# Altium PCB MB1166.PcbDoc (part 23 of 39)
Units mil, origin at the board's own origin, x right, y up, seen from the top; angles counter-clockwise.
Board outline 5000.99 x 2352.96 mil, 4 copper layers (TOP, L2_GND, L3_VCC, BOTTOM), stack 25.9 mil thick; 35 components, 24 nets, 166 pads, 143 vias.
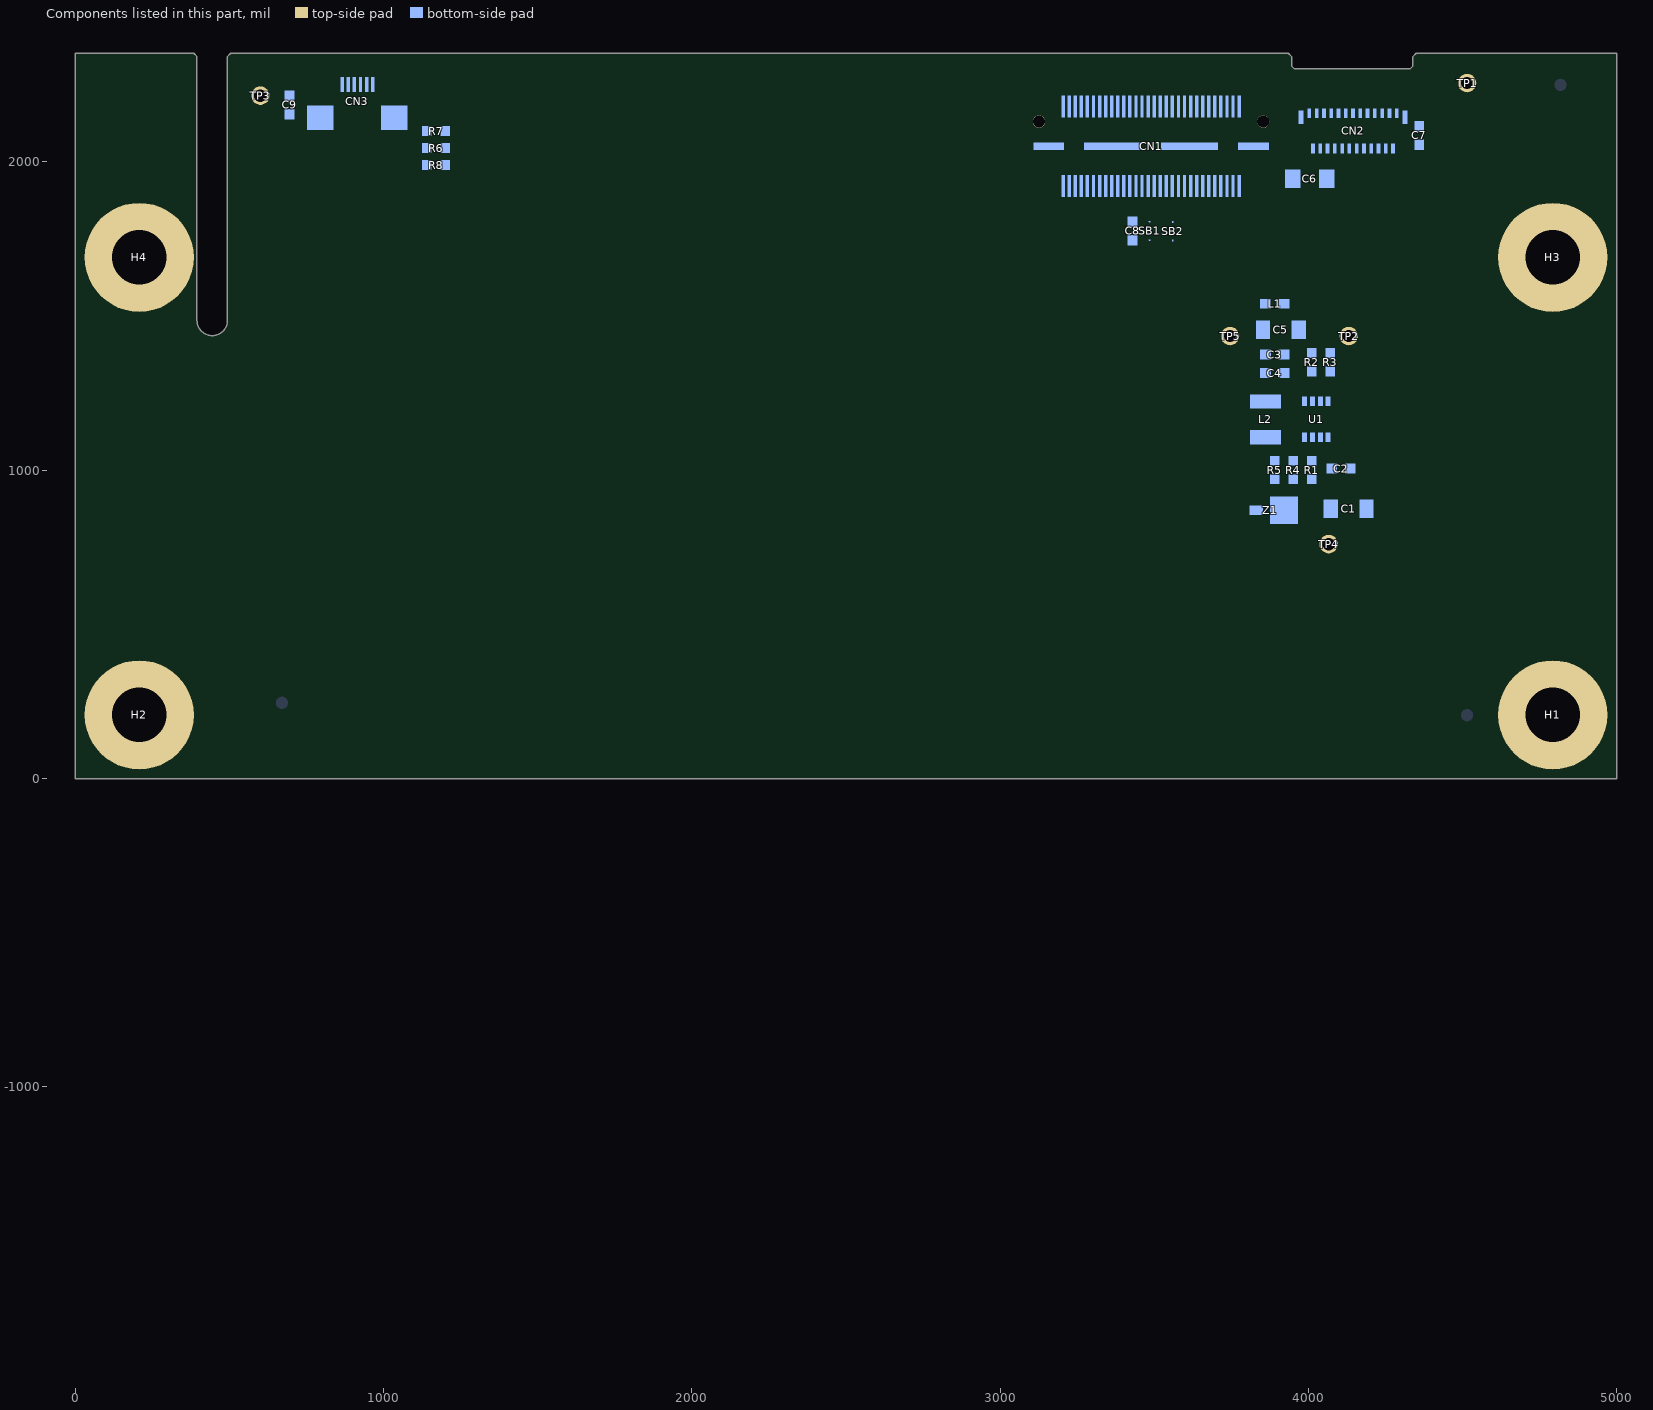
[diagram p25: the components of this part, seen from the top]

## Via types
v1: diameter 24, hole 12, TOP to BOTTOM, 143 vias

## Nets (pads, with @x,y where several pads share a name; then routed paths per layer and width w, separated by ;. In a path a pad name is that pad's centre, name@x,y a point inside that pad or via, vN(x,y) a via of type N, cw(c..) or ccw(c..) an arc to the next point about the centre after c; other vN are vias at no path point) (continued)
copper on no net: (continued)
  BOTTOM w2: 884.02,-1190.99 884.2,-1190.89 ; 884,-1127.72 884.1,-1127.72 ; 884,-1127.72 884.1,-1127.72 ; 884.06,-1216.03 884.16,-1216.02 ; 884.06,-1216.03 884.16,-1216.02 ; 884.1,-1127.72 884.2,-1127.73 ; 884.1,-1127.72 884.2,-1127.73 ; 884.16,-1216.02 884.26,-1216 ; 884.16,-1216.02 884.26,-1216 ; 884.2,-1190.89 884.28,-1190.84 ; 884.2,-1190.89 884.28,-1190.84 ; 884.2,-1127.73 884.3,-1127.73 ; 884.2,-1127.73 884.3,-1127.73 ; 884.26,-1216 884.35,-1215.98 ; 884.26,-1216 884.35,-1215.98 ; 884.28,-1190.84 884.37,-1190.79 ; 884.28,-1190.84 884.37,-1190.79 ; 884.3,-1127.73 884.5,-1127.75 ; 884.3,-1127.73 884.5,-1127.75 ; 884.35,-1215.98 884.45,-1215.97 ; 884.35,-1215.98 884.45,-1215.97 ; 884.37,-1190.79 884.45,-1190.74 ; 884.37,-1190.79 884.45,-1190.74 ; 884.45,-1215.97 884.65,-1215.93 ; 884.45,-1215.97 884.65,-1215.93 ; 884.45,-1190.74 884.54,-1190.68 ; 884.45,-1190.74 884.54,-1190.68 ; 884.49,-1127.76 884.39,-1127.75 884.49,-1127.76 ; 884.49,-1127.76 884.59,-1127.76 ; 884.5,-1127.75 884.6,-1127.75 ; 884.49,-1127.76 884.59,-1127.76 ; 884.5,-1127.75 884.6,-1127.75 ; 884.54,-1190.68 884.62,-1190.63 ; 884.54,-1190.68 884.62,-1190.63 ; 884.62,-1190.63 884.71,-1190.58 ; 884.62,-1190.63 884.71,-1190.58 ; 884.59,-1127.76 884.69,-1127.77 ; 884.6,-1127.75 884.8,-1127.77 ; 884.59,-1127.76 884.69,-1127.77 ; 884.6,-1127.75 884.8,-1127.77 ; 884.65,-1215.93 884.75,-1215.92 ; 884.65,-1215.93 884.75,-1215.92 ; 884.71,-1190.58 884.79,-1190.52 ; 884.71,-1190.58 884.79,-1190.52 ; 884.69,-1127.77 884.79,-1127.77 ; 884.69,-1127.77 884.79,-1127.77 ; 884.75,-1215.92 884.95,-1215.88 ; 884.75,-1215.92 884.95,-1215.88 ; 884.79,-1190.52 884.88,-1190.47 ; 884.79,-1190.52 884.88,-1190.47 ; 884.79,-1127.77 884.89,-1127.78 ; 884.8,-1127.77 884.9,-1127.77 ; 884.79,-1127.77 884.89,-1127.78 ; 884.8,-1127.77 884.9,-1127.77 ; 884.88,-1190.47 884.96,-1190.41 ; 884.88,-1190.47 884.96,-1190.41 ; 884.89,-1127.78 884.99,-1127.78 ; 884.89,-1127.78 884.99,-1127.78 ; 884.9,-1127.77 885.1,-1127.79 ; 884.9,-1127.77 885.1,-1127.79 ; 884.95,-1215.88 885.04,-1215.87 ; 884.95,-1215.88 885.04,-1215.87 ; 884.96,-1190.41 885.04,-1190.36 ; 884.96,-1190.41 885.04,-1190.36 ; 884.99,-1127.78 885.09,-1127.79 ; 884.99,-1127.78 885.09,-1127.79 ; 885.04,-1215.87 885.24,-1215.83 ; 885.04,-1215.87 885.24,-1215.83 ; 885.04,-1190.36 885.13,-1190.3 ; 885.04,-1190.36 885.13,-1190.3 ; 885.09,-1127.79 885.19,-1127.79 ; 885.1,-1127.79 885.2,-1127.79 ; 885.09,-1127.79 885.19,-1127.79 ; 885.1,-1127.79 885.2,-1127.79 ; 885.13,-1190.3 885.21,-1190.25 ; 885.13,-1190.3 885.21,-1190.25 ; 885.21,-1190.25 885.37,-1190.13 ; 885.21,-1190.25 885.37,-1190.13 ; 885.19,-1127.79 885.29,-1127.8 ; 885.2,-1127.79 885.5,-1127.82 ; 885.19,-1127.79 885.29,-1127.8 ; 885.2,-1127.79 885.5,-1127.82 ; 885.24,-1215.83 885.34,-1215.82 ; 885.24,-1215.83 885.34,-1215.82 ; 885.29,-1127.8 885.39,-1127.8 ; 885.29,-1127.8 885.39,-1127.8 ; 885.34,-1215.82 885.54,-1215.78 ; 885.34,-1215.82 885.54,-1215.78 ; 885.37,-1190.13 885.46,-1190.08 ; 885.37,-1190.13 885.46,-1190.08 ; 885.39,-1127.8 885.49,-1127.81 ; 885.39,-1127.8 885.49,-1127.81 ; 885.46,-1190.08 886.18,-1189.54 ; 885.46,-1190.08 886.18,-1189.54 ; 885.49,-1127.81 885.59,-1127.81 ; 885.5,-1127.82 885.6,-1127.82 ; 885.49,-1127.81 885.59,-1127.81 ; 885.5,-1127.82 885.6,-1127.82 ; 885.54,-1215.78 885.64,-1215.77 ; 885.54,-1215.78 885.64,-1215.77 ; 885.59,-1127.81 885.69,-1127.82 ; 885.6,-1127.82 886,-1127.86 ; 885.59,-1127.81 885.69,-1127.82 ; 885.6,-1127.82 886,-1127.86 ; 885.64,-1215.77 885.74,-1215.75 ; 885.64,-1215.77 885.74,-1215.75 ; 885.69,-1127.82 885.79,-1127.82 ; 885.69,-1127.82 885.79,-1127.82 ; 885.74,-1215.75 885.83,-1215.73 ; 885.74,-1215.75 885.83,-1215.73 ; 885.79,-1127.82 885.99,-1127.84 ; 885.79,-1127.82 885.99,-1127.84 ; 885.83,-1215.73 885.93,-1215.72 ; 885.83,-1215.73 885.93,-1215.72 ; 885.93,-1215.72 886.03,-1215.7 ; 885.93,-1215.72 886.03,-1215.7 ; 885.99,-1127.84 886.09,-1127.84 ; 886,-1127.86 886.1,-1127.86 ; 885.99,-1127.84 886.09,-1127.84 ; 886,-1127.86 886.1,-1127.86 ; 886.03,-1215.7 886.13,-1215.69 ; 886.03,-1215.7 886.13,-1215.69 ; 886.09,-1127.84 886.29,-1127.86 ; 886.1,-1127.86 886.6,-1127.91 ; 886.09,-1127.84 886.29,-1127.86 ; 886.1,-1127.86 886.6,-1127.91 ; 886.13,-1215.69 886.33,-1215.65 ; 886.13,-1215.69 886.33,-1215.65 ; 886.18,-1189.54 886.25,-1189.47 ; 886.18,-1189.54 886.25,-1189.47 ; 886.25,-1189.47 886.41,-1189.35 ; 886.25,-1189.47 886.41,-1189.35 ; 886.29,-1127.86 886.39,-1127.86 ; 886.29,-1127.86 886.39,-1127.86 ; 886.33,-1215.65 886.43,-1215.64 ; 886.33,-1215.65 886.43,-1215.64 ; 886.41,-1189.35 886.49,-1189.28 ; 886.41,-1189.35 886.49,-1189.28 ; 886.39,-1127.86 886.69,-1127.89 ; 886.39,-1127.86 886.69,-1127.89 ; 886.43,-1215.64 886.52,-1215.62 ; 886.43,-1215.64 886.52,-1215.62 ; 886.52,-1215.62 886.62,-1215.6 ; 886.52,-1215.62 886.62,-1215.6 ; 886.49,-1189.28 886.56,-1189.22 ; 886.49,-1189.28 886.56,-1189.22 ; 886.56,-1189.22 886.64,-1189.15 ; 886.56,-1189.22 886.64,-1189.15 ; 886.62,-1215.6 886.72,-1215.59 ; 886.62,-1215.6 886.72,-1215.59 ; 886.6,-1127.91 886.7,-1127.91 ; 886.6,-1127.91 886.7,-1127.91 ; 886.64,-1189.15 886.71,-1189.09 ; 886.64,-1189.15 886.71,-1189.09 ; 886.72,-1215.59 886.82,-1215.57 ; 886.72,-1215.59 886.82,-1215.57 ; 886.71,-1189.09 886.79,-1189.02 ; 886.71,-1189.09 886.79,-1189.02 ; 886.69,-1127.89 886.78,-1127.89 ; 886.7,-1127.91 886.9,-1127.93 ; 886.69,-1127.89 886.78,-1127.89 ; 886.7,-1127.91 886.9,-1127.93 ; 886.82,-1215.57 886.92,-1215.56 ; 886.82,-1215.57 886.92,-1215.56 ; 886.79,-1189.02 886.86,-1188.96 ; 886.79,-1189.02 886.86,-1188.96 ; 886.78,-1127.89 887.68,-1127.98 ; 886.78,-1127.89 887.68,-1127.98 ; 886.86,-1188.96 886.94,-1188.89 ; 886.86,-1188.96 886.94,-1188.89 ; 886.92,-1215.56 887.12,-1215.52 ; 886.92,-1215.56 887.12,-1215.52 ; 886.9,-1127.93 886.99,-1127.94 ; 886.9,-1127.93 886.99,-1127.94 ; 886.94,-1188.89 887.08,-1188.75 ; 886.94,-1188.89 887.08,-1188.75 ; 886.99,-1127.94 887.29,-1127.97 ; 886.99,-1127.94 887.29,-1127.97 ; 887.12,-1215.52 887.22,-1215.51 ; 887.12,-1215.52 887.22,-1215.51 ; 887.08,-1188.75 887.16,-1188.69 ; 887.08,-1188.75 887.16,-1188.69 ; 887.16,-1188.69 887.44,-1188.41 ; 887.16,-1188.69 887.44,-1188.41 ; 887.22,-1215.51 887.31,-1215.49 ; 887.22,-1215.51 887.31,-1215.49 ; 887.31,-1215.49 887.41,-1215.48 ; 887.31,-1215.49 887.41,-1215.48 ; 887.29,-1127.97 887.39,-1127.97 ; 887.29,-1127.97 887.39,-1127.97 ; 887.41,-1215.48 887.51,-1215.46 ; 887.41,-1215.48 887.51,-1215.46 ; 887.39,-1127.97 887.99,-1128.03 887.39,-1127.97 ; 887.44,-1188.41 887.52,-1188.34 ; 887.44,-1188.41 887.52,-1188.34 ; 887.51,-1215.46 887.61,-1215.45 ; 887.51,-1215.46 887.61,-1215.45 ; 887.52,-1188.34 887.59,-1188.26 ; 887.52,-1188.34 887.59,-1188.26 ; 887.61,-1215.45 887.81,-1215.41 ; 887.61,-1215.45 887.81,-1215.41 ; 887.59,-1188.26 887.66,-1188.19 ; 887.59,-1188.26 887.66,-1188.19 ; 887.66,-1188.19 887.72,-1188.12 ; 887.66,-1188.19 887.72,-1188.12 ; 887.72,-1188.12 887.86,-1187.98 ; 887.72,-1188.12 887.86,-1187.98 ; 887.68,-1127.98 887.78,-1128 ; 887.68,-1127.98 887.78,-1128 ; 887.81,-1215.41 887.91,-1215.4 ; 887.81,-1215.41 887.91,-1215.4 ; 887.78,-1128 887.98,-1128.02 ; 887.78,-1128 887.98,-1128.02 ; 887.86,-1187.98 887.93,-1187.9 ; 887.86,-1187.98 887.93,-1187.9 ; 887.91,-1215.4 888.01,-1215.38 ; 887.91,-1215.4 888.01,-1215.38 ; 887.93,-1187.9 888,-1187.83 ; 887.93,-1187.9 888,-1187.83 ; 888.01,-1215.38 888.1,-1215.37 ; 888.01,-1215.38 888.1,-1215.37 ; 888,-1187.83 888.06,-1187.75 ; 888,-1187.83 888.06,-1187.75 ; 887.98,-1128.02 888.08,-1128.04 ; 887.98,-1128.02 888.08,-1128.04 ; 888.06,-1187.75 888.13,-1187.68 ; 888.06,-1187.75 888.13,-1187.68 ; 888.1,-1215.37 888.4,-1215.31 ; 888.1,-1215.37 888.4,-1215.31 ; 888.08,-1128.04 888.18,-1128.05 ; 888.08,-1128.04 888.18,-1128.05 ; 888.13,-1187.68 888.2,-1187.6 ; 888.13,-1187.68 888.2,-1187.6 ; 888.2,-1187.6 888.26,-1187.53 ; 888.2,-1187.6 888.26,-1187.53 ; 888.18,-1128.05 888.27,-1128.07 ; 888.18,-1128.05 888.27,-1128.07 ; 888.26,-1187.53 888.33,-1187.45 ; 888.26,-1187.53 888.33,-1187.45 ; 888.27,-1128.07 888.37,-1128.08 ; 888.27,-1128.07 888.37,-1128.08 ; 888.33,-1187.45 888.39,-1187.38 ; 888.33,-1187.45 888.39,-1187.38 ; 888.37,-1128.08 888.47,-1128.1 ; 888.37,-1128.08 888.47,-1128.1 ; 888.4,-1215.31 888.5,-1215.3 ; 888.4,-1215.31 888.5,-1215.3 ; 888.39,-1187.38 888.46,-1187.3 ; 888.39,-1187.38 888.46,-1187.3 ; 888.46,-1187.3 888.58,-1187.14 ; 888.46,-1187.3 888.58,-1187.14 ; 888.47,-1128.1 888.57,-1128.11 ; 888.47,-1128.1 888.57,-1128.11 ; 888.5,-1215.3 888.6,-1215.28 ; 888.5,-1215.3 888.6,-1215.28 ; 888.57,-1128.11 888.87,-1128.17 ; 888.57,-1128.11 888.87,-1128.17 ; 888.6,-1215.28 888.69,-1215.26 ; 888.6,-1215.28 888.69,-1215.26 ; 888.58,-1187.14 888.65,-1187.07 ; 888.58,-1187.14 888.65,-1187.07 ; 888.65,-1187.07 889.19,-1186.35 ; 888.65,-1187.07 889.19,-1186.35 ; 888.69,-1215.26 889.09,-1215.18 ; 888.69,-1215.26 889.09,-1215.18 ; 888.87,-1128.17 888.96,-1128.19 ; 888.87,-1128.17 888.96,-1128.19 ; 888.96,-1128.19 889.36,-1128.27 ; 888.96,-1128.19 889.36,-1128.27 ; 889.09,-1215.18 889.18,-1215.16 ; 889.09,-1215.18 889.18,-1215.16 ; 889.18,-1215.16 889.48,-1215.1 ; 889.18,-1215.16 889.48,-1215.1 ; 889.19,-1186.35 889.24,-1186.27 ; 889.19,-1186.35 889.24,-1186.27 ; 889.24,-1186.27 889.3,-1186.18 ; 889.24,-1186.27 889.3,-1186.18 ; 889.3,-1186.18 889.36,-1186.1 ; 889.3,-1186.18 889.36,-1186.1 ; 889.36,-1186.1 889.41,-1186.02 ; 889.36,-1186.1 889.41,-1186.02 ; 889.36,-1128.27 889.45,-1128.29 ; 889.36,-1128.27 889.45,-1128.29 ; 889.41,-1186.02 889.47,-1185.94 ; 889.41,-1186.02 889.47,-1185.94 ; 889.47,-1185.94 889.53,-1185.85 ; 889.47,-1185.94 889.53,-1185.85 ; 889.45,-1128.29 889.55,-1128.32 ; 889.45,-1128.29 889.55,-1128.32 ; 889.48,-1215.1 889.58,-1215.07 ; 889.48,-1215.1 889.58,-1215.07 ; 889.53,-1185.85 889.63,-1185.69 ; 889.53,-1185.85 889.63,-1185.69 ; 889.55,-1128.32 889.65,-1128.34 ; 889.55,-1128.32 889.65,-1128.34 ; 889.58,-1215.07 889.67,-1215.05 ; 889.58,-1215.07 889.67,-1215.05 ; 889.67,-1215.05 889.87,-1215.01 ; 889.67,-1215.05 889.87,-1215.01 ; 889.63,-1185.69 889.69,-1185.6 ; 889.63,-1185.69 889.69,-1185.6 ; 889.65,-1128.34 889.74,-1128.36 ; 889.65,-1128.34 889.74,-1128.36 ; 889.69,-1185.6 889.74,-1185.52 ; 889.69,-1185.6 889.74,-1185.52 ; 889.74,-1185.52 889.79,-1185.43 ; 889.74,-1185.52 889.79,-1185.43 ; 889.74,-1128.36 889.94,-1128.42 ; 889.74,-1128.36 889.94,-1128.42 ; 889.79,-1185.43 889.85,-1185.35 ; 889.79,-1185.43 889.85,-1185.35 ; 889.87,-1215.01 889.96,-1214.98 ; 889.84,-1215.01 923.32,-1181.53 889.84,-1215.01 ; 889.87,-1215.01 889.96,-1214.98 ; 889.85,-1185.35 889.95,-1185.17 ; 889.85,-1185.35 889.95,-1185.17 ; 889.96,-1214.98 890.06,-1214.96 ; 889.96,-1214.98 890.06,-1214.96 ; 889.95,-1185.17 890,-1185.09 ; 889.95,-1185.17 890,-1185.09 ; 889.94,-1128.42 890.03,-1128.44 ; 889.94,-1128.42 890.03,-1128.44 ; 890,-1185.09 890.1,-1184.91 ; 890,-1185.09 890.1,-1184.91 ; 890.06,-1214.96 890.16,-1214.93 ; 890.06,-1214.96 890.16,-1214.93 ; 890.03,-1128.44 890.13,-1128.47 ; 890.03,-1128.44 890.13,-1128.47 ; 890.1,-1184.91 890.15,-1184.83 ; 890.1,-1184.91 890.15,-1184.83 ; 890.16,-1214.93 890.26,-1214.91 ; 890.16,-1214.93 890.26,-1214.91 ; 890.15,-1184.83 890.2,-1184.74 ; 890.15,-1184.83 890.2,-1184.74 ; 890.13,-1128.47 890.22,-1128.5 ; 890.13,-1128.47 890.22,-1128.5 ; 890.2,-1184.74 890.24,-1184.65 ; 890.2,-1184.74 890.24,-1184.65 ; 890.22,-1128.5 890.42,-1128.56 ; 890.22,-1128.5 890.42,-1128.56 ; 890.26,-1214.91 890.35,-1214.89 ; 890.26,-1214.91 890.35,-1214.89 ; 890.24,-1184.65 890.29,-1184.56 ; 890.24,-1184.65 890.29,-1184.56 ; 890.29,-1184.56 890.34,-1184.48 ; 890.29,-1184.56 890.34,-1184.48 ; 890.35,-1214.89 890.45,-1214.86 ; 890.35,-1214.89 890.45,-1214.86 ; 890.34,-1184.48 890.39,-1184.39 ; 890.34,-1184.48 890.39,-1184.39 ; 890.39,-1184.39 890.43,-1184.3 ; 890.39,-1184.39 890.43,-1184.3 ; 890.42,-1128.56 890.51,-1128.6 ; 890.42,-1128.56 890.51,-1128.6 ; 890.45,-1214.86 890.55,-1214.84 ; 890.45,-1214.86 890.55,-1214.84 ; 890.43,-1184.3 890.48,-1184.21 ; 890.43,-1184.3 890.48,-1184.21 ; 890.48,-1184.21 890.52,-1184.12 ; 890.48,-1184.21 890.52,-1184.12 ; 890.52,-1184.12 890.57,-1184.03 ; 890.52,-1184.12 890.57,-1184.03 ; 890.51,-1128.6 890.6,-1128.63 ; 890.51,-1128.6 890.6,-1128.63 ; 890.55,-1214.84 890.64,-1214.81 ; 890.55,-1214.84 890.64,-1214.81 ; 890.57,-1184.03 890.61,-1183.94 ; 890.57,-1184.03 890.61,-1183.94 ; 890.61,-1183.94 890.66,-1183.85 ; 890.61,-1183.94 890.66,-1183.85 ; 890.6,-1128.63 890.7,-1128.66 ; 890.6,-1128.63 890.7,-1128.66 ; 890.64,-1214.81 890.74,-1214.78 ; 890.64,-1214.81 890.74,-1214.78 ; 890.66,-1183.85 890.78,-1183.58 ; 890.66,-1183.85 890.78,-1183.58 ; 890.7,-1128.66 890.79,-1128.7 ; 890.7,-1128.66 890.79,-1128.7 ; 890.74,-1214.78 890.84,-1214.76 ; 890.74,-1214.78 890.84,-1214.76 ; 890.78,-1183.58 890.83,-1183.49 ; 890.78,-1183.58 890.83,-1183.49 ; 890.79,-1128.7 890.89,-1128.73 ; 890.79,-1128.7 890.89,-1128.73 ; 890.84,-1214.76 890.93,-1214.73 ; 890.84,-1214.76 890.93,-1214.73 ; 890.83,-1183.49 891.03,-1183.04 ; 890.83,-1183.49 891.03,-1183.04 ; 890.89,-1128.73 891.07,-1128.81 ; 890.89,-1128.73 891.07,-1128.81 ; 890.93,-1214.73 891.03,-1214.71 ; 890.93,-1214.73 891.03,-1214.71 ; 891.03,-1214.71 891.13,-1214.68 ; 891.03,-1214.71 891.13,-1214.68 ; 891.03,-1183.04 891.07,-1182.94 ; 891.03,-1183.04 891.07,-1182.94 ; 891.07,-1182.94 891.23,-1182.58 ; 891.07,-1182.94 891.23,-1182.58 ; 891.07,-1128.81 891.16,-1128.84 ; 891.07,-1128.81 891.16,-1128.84 ; 891.13,-1214.68 891.22,-1214.65 ; 891.13,-1214.68 891.22,-1214.65 ; 891.16,-1128.84 891.26,-1128.88 ; 891.16,-1128.84 891.26,-1128.88 ; 891.22,-1214.65 891.32,-1214.62 ; 891.22,-1214.65 891.32,-1214.62 ; 891.23,-1182.58 891.27,-1182.48 ; 891.23,-1182.58 891.27,-1182.48 ; 891.27,-1182.48 891.39,-1182.21 ; 891.27,-1182.48 891.39,-1182.21 ; 891.26,-1128.88 891.35,-1128.92 ; 891.26,-1128.88 891.35,-1128.92 ; 891.32,-1214.62 891.41,-1214.6 ; 891.32,-1214.62 891.41,-1214.6 ; 891.35,-1128.92 891.44,-1128.97 ; 891.35,-1128.92 891.44,-1128.97 ; 891.41,-1214.6 891.61,-1214.54 ; 891.41,-1214.6 891.61,-1214.54 ; 891.39,-1182.21 891.42,-1182.11 ; 891.39,-1182.21 891.42,-1182.11 ; 891.42,-1182.11 891.54,-1181.84 ; 891.42,-1182.11 891.54,-1181.84 ; 891.44,-1128.97 891.62,-1129.05 ; 891.44,-1128.97 891.62,-1129.05 ; 891.54,-1181.84 891.57,-1181.74 ; 891.54,-1181.84 891.57,-1181.74 ; 891.57,-1181.74 891.65,-1181.56 ; 891.57,-1181.74 891.65,-1181.56 ; 891.61,-1214.54 891.7,-1214.51 ; 891.61,-1214.54 891.7,-1214.51 ; 891.62,-1129.05 891.71,-1129.1 ; 891.62,-1129.05 891.71,-1129.1 ; 891.65,-1181.56 891.68,-1181.46 ; 891.65,-1181.56 891.68,-1181.46 ; 891.7,-1214.51 891.8,-1214.48 ; 891.7,-1214.51 891.8,-1214.48 ; 891.68,-1181.46 891.76,-1181.28 ; 891.68,-1181.46 891.76,-1181.28 ; 891.71,-1129.1 891.8,-1129.14 ; 891.71,-1129.1 891.8,-1129.14 ; 891.76,-1181.28 891.79,-1181.18 ; 891.76,-1181.28 891.79,-1181.18 ; 891.8,-1214.48 891.89,-1214.46 ; 891.8,-1214.48 891.89,-1214.46 ; 891.79,-1181.18 891.83,-1181.09 ; 891.79,-1181.18 891.83,-1181.09 ; 891.8,-1129.14 891.89,-1129.19 ; 891.8,-1129.14 891.89,-1129.19 ; 891.83,-1181.09 891.86,-1181 ; 891.83,-1181.09 891.86,-1181 ; 891.86,-1181 891.9,-1180.9 ; 891.86,-1181 891.9,-1180.9 ; 891.89,-1214.46 892.09,-1214.4 ; 891.89,-1214.46 892.09,-1214.4 ; 891.9,-1180.9 891.94,-1180.81 ; 891.9,-1180.9 891.94,-1180.81 ; 891.89,-1129.19 891.97,-1129.24 ; 891.89,-1129.19 891.97,-1129.24 ; 891.94,-1180.81 891.97,-1180.72 ; 891.94,-1180.81 891.97,-1180.72 ; 891.97,-1180.72 892.01,-1180.62 ; 891.97,-1180.72 892.01,-1180.62 ; 891.97,-1129.24 892.06,-1129.28 ; 891.97,-1129.24 892.06,-1129.28 ; 892.01,-1180.62 892.04,-1180.53 ; 892.01,-1180.62 892.04,-1180.53 ; 892.04,-1180.53 892.08,-1180.44 ; 892.04,-1180.53 892.08,-1180.44 ; 892.06,-1129.28 892.24,-1129.38 ; 892.06,-1129.28 892.24,-1129.38 ; 892.09,-1214.4 892.18,-1214.37 ; 892.09,-1214.4 892.18,-1214.37 ; 892.08,-1180.44 892.11,-1180.34 ; 892.08,-1180.44 892.11,-1180.34 ; 892.11,-1180.34 892.15,-1180.25 ; 892.11,-1180.34 892.15,-1180.25 ; 892.15,-1180.25 892.18,-1180.16 ; 892.15,-1180.25 892.18,-1180.16 ; 892.18,-1214.37 892.28,-1214.34 ; 892.18,-1214.37 892.28,-1214.34 ; 892.18,-1180.16 892.22,-1180.06 ; 892.18,-1180.16 892.22,-1180.06 ; 892.22,-1180.06 892.25,-1179.97 ; 892.22,-1180.06 892.25,-1179.97 ; 892.25,-1179.97 892.28,-1179.87 ; 892.25,-1179.97 892.28,-1179.87 ; 892.24,-1129.38 892.32,-1129.43 ; 892.24,-1129.38 892.32,-1129.43 ; 892.28,-1214.34 892.37,-1214.31 ; 892.28,-1214.34 892.37,-1214.31 ; 892.28,-1179.87 892.32,-1179.78 ; 892.28,-1179.87 892.32,-1179.78 ; 892.32,-1179.78 892.35,-1179.69 ; 892.32,-1179.78 892.35,-1179.69 ; 892.32,-1129.43 892.41,-1129.48 ; 892.32,-1129.43 892.41,-1129.48 ; 892.37,-1214.31 892.47,-1214.28 ; 892.37,-1214.31 892.47,-1214.28 ; 892.35,-1179.69 892.39,-1179.59 ; 892.35,-1179.69 892.39,-1179.59 ; 892.39,-1179.59 892.42,-1179.5 ; 892.39,-1179.59 892.42,-1179.5 ; 892.42,-1179.5 892.45,-1179.4 ; 892.42,-1179.5 892.45,-1179.4 ; 892.41,-1129.48 892.49,-1129.53 ; 892.41,-1129.48 892.49,-1129.53 ; 892.47,-1214.28 892.56,-1214.25 ; 892.47,-1214.28 892.56,-1214.25 ; 892.45,-1179.4 892.49,-1179.31 ; 892.45,-1179.4 892.49,-1179.31 ; 892.49,-1179.31 892.52,-1179.22 ; 892.49,-1179.31 892.52,-1179.22 ; 892.52,-1179.22 892.56,-1179.12 ; 892.52,-1179.22 892.56,-1179.12 ; 892.49,-1129.53 892.58,-1129.59 ; 892.49,-1129.53 892.58,-1129.59 ; 892.56,-1214.25 892.66,-1214.22 ; 892.56,-1214.25 892.66,-1214.22 ; 892.56,-1179.12 892.59,-1179.03 ; 892.56,-1179.12 892.59,-1179.03 ; 892.59,-1179.03 892.62,-1178.93 ; 892.59,-1179.03 892.62,-1178.93 ; 892.62,-1178.93 892.65,-1178.84 ; 892.62,-1178.93 892.65,-1178.84 ; 892.58,-1129.59 892.66,-1129.64 ; 892.58,-1129.59 892.66,-1129.64 ; 892.66,-1214.22 892.75,-1214.19 ; 892.66,-1214.22 892.75,-1214.19 ; 892.65,-1178.84 892.69,-1178.74 ; 892.65,-1178.84 892.69,-1178.74 ; 892.66,-1129.64 892.75,-1129.69 ; 892.66,-1129.64 892.75,-1129.69 ; 892.69,-1178.74 892.72,-1178.65 ; 892.69,-1178.74 892.72,-1178.65 ; 892.72,-1178.65 892.75,-1178.55 ; 892.72,-1178.65 892.75,-1178.55 ; 892.75,-1214.19 892.85,-1214.16 ; 892.75,-1214.19 892.85,-1214.16 ; 892.75,-1178.55 892.79,-1178.46 ; 892.75,-1178.55 892.79,-1178.46 ; 892.75,-1129.69 892.83,-1129.75 ; 892.75,-1129.69 892.83,-1129.75 ; 892.79,-1178.46 892.82,-1178.37 ; 892.79,-1178.46 892.82,-1178.37 ; 892.82,-1178.37 892.85,-1178.27 ; 892.82,-1178.36 930.11,-1141.07 892.82,-1178.36 ; 892.82,-1178.37 892.85,-1178.27 ; 892.85,-1214.16 892.94,-1214.13 ; 892.85,-1214.16 892.94,-1214.13 ; 892.85,-1178.27 892.88,-1178.18 ; 892.85,-1178.27 892.88,-1178.18 ; 892.83,-1129.75 892.92,-1129.8 ; 892.83,-1129.75 892.92,-1129.8 ; 892.88,-1178.18 892.91,-1178.08 ; 892.88,-1178.18 892.91,-1178.08 ; 892.91,-1178.08 892.95,-1177.99 ; 892.91,-1178.08 892.95,-1177.99 ; 892.92,-1129.8 893,-1129.86 ; 892.92,-1129.8 893,-1129.86 ; 892.94,-1214.13 893.04,-1214.1 ; 892.94,-1214.13 893.04,-1214.1 ; 892.95,-1177.99 892.98,-1177.89 ; 892.95,-1177.99 892.98,-1177.89 ; 892.98,-1177.89 893.01,-1177.8 ; 892.98,-1177.89 893.01,-1177.8 ; 893.01,-1177.8 893.04,-1177.7 ; 893.01,-1177.8 893.04,-1177.7 ; 893,-1129.86 893.08,-1129.91 ; 893,-1129.86 893.08,-1129.91 ; 893.04,-1214.1 893.13,-1214.07 ; 893.04,-1214.1 893.13,-1214.07 ; 893.04,-1177.7 893.07,-1177.61 ; 893.04,-1177.7 893.07,-1177.61 ; 893.07,-1177.61 893.1,-1177.51 ; 893.07,-1177.61 893.1,-1177.51 ; 893.1,-1177.51 893.14,-1177.42 ; 893.1,-1177.51 893.14,-1177.42 ; 893.08,-1129.91 893.17,-1129.97 ; 893.08,-1129.91 893.17,-1129.97 ; 893.13,-1214.07 893.23,-1214.03 ; 893.13,-1214.07 893.23,-1214.03 ; 893.14,-1177.42 893.17,-1177.32 ; 893.14,-1177.42 893.17,-1177.32 ; 893.17,-1177.32 893.2,-1177.23 ; 893.17,-1177.32 893.2,-1177.23 ; 893.17,-1129.97 893.25,-1130.03 ; 893.17,-1129.97 893.25,-1130.03 ; 893.2,-1177.23 893.23,-1177.13 ; 893.2,-1177.23 893.23,-1177.13 ; 893.23,-1214.03 893.32,-1214 ; 893.23,-1214.03 893.32,-1214 ; 893.23,-1177.13 893.26,-1177.04 ; 893.23,-1177.13 893.26,-1177.04 ; 893.26,-1177.04 893.29,-1176.94 ; 893.26,-1177.04 893.29,-1176.94 ; 893.25,-1130.03 893.33,-1130.08 